# KiCad board Video Timer.kicad_pcb (continued)
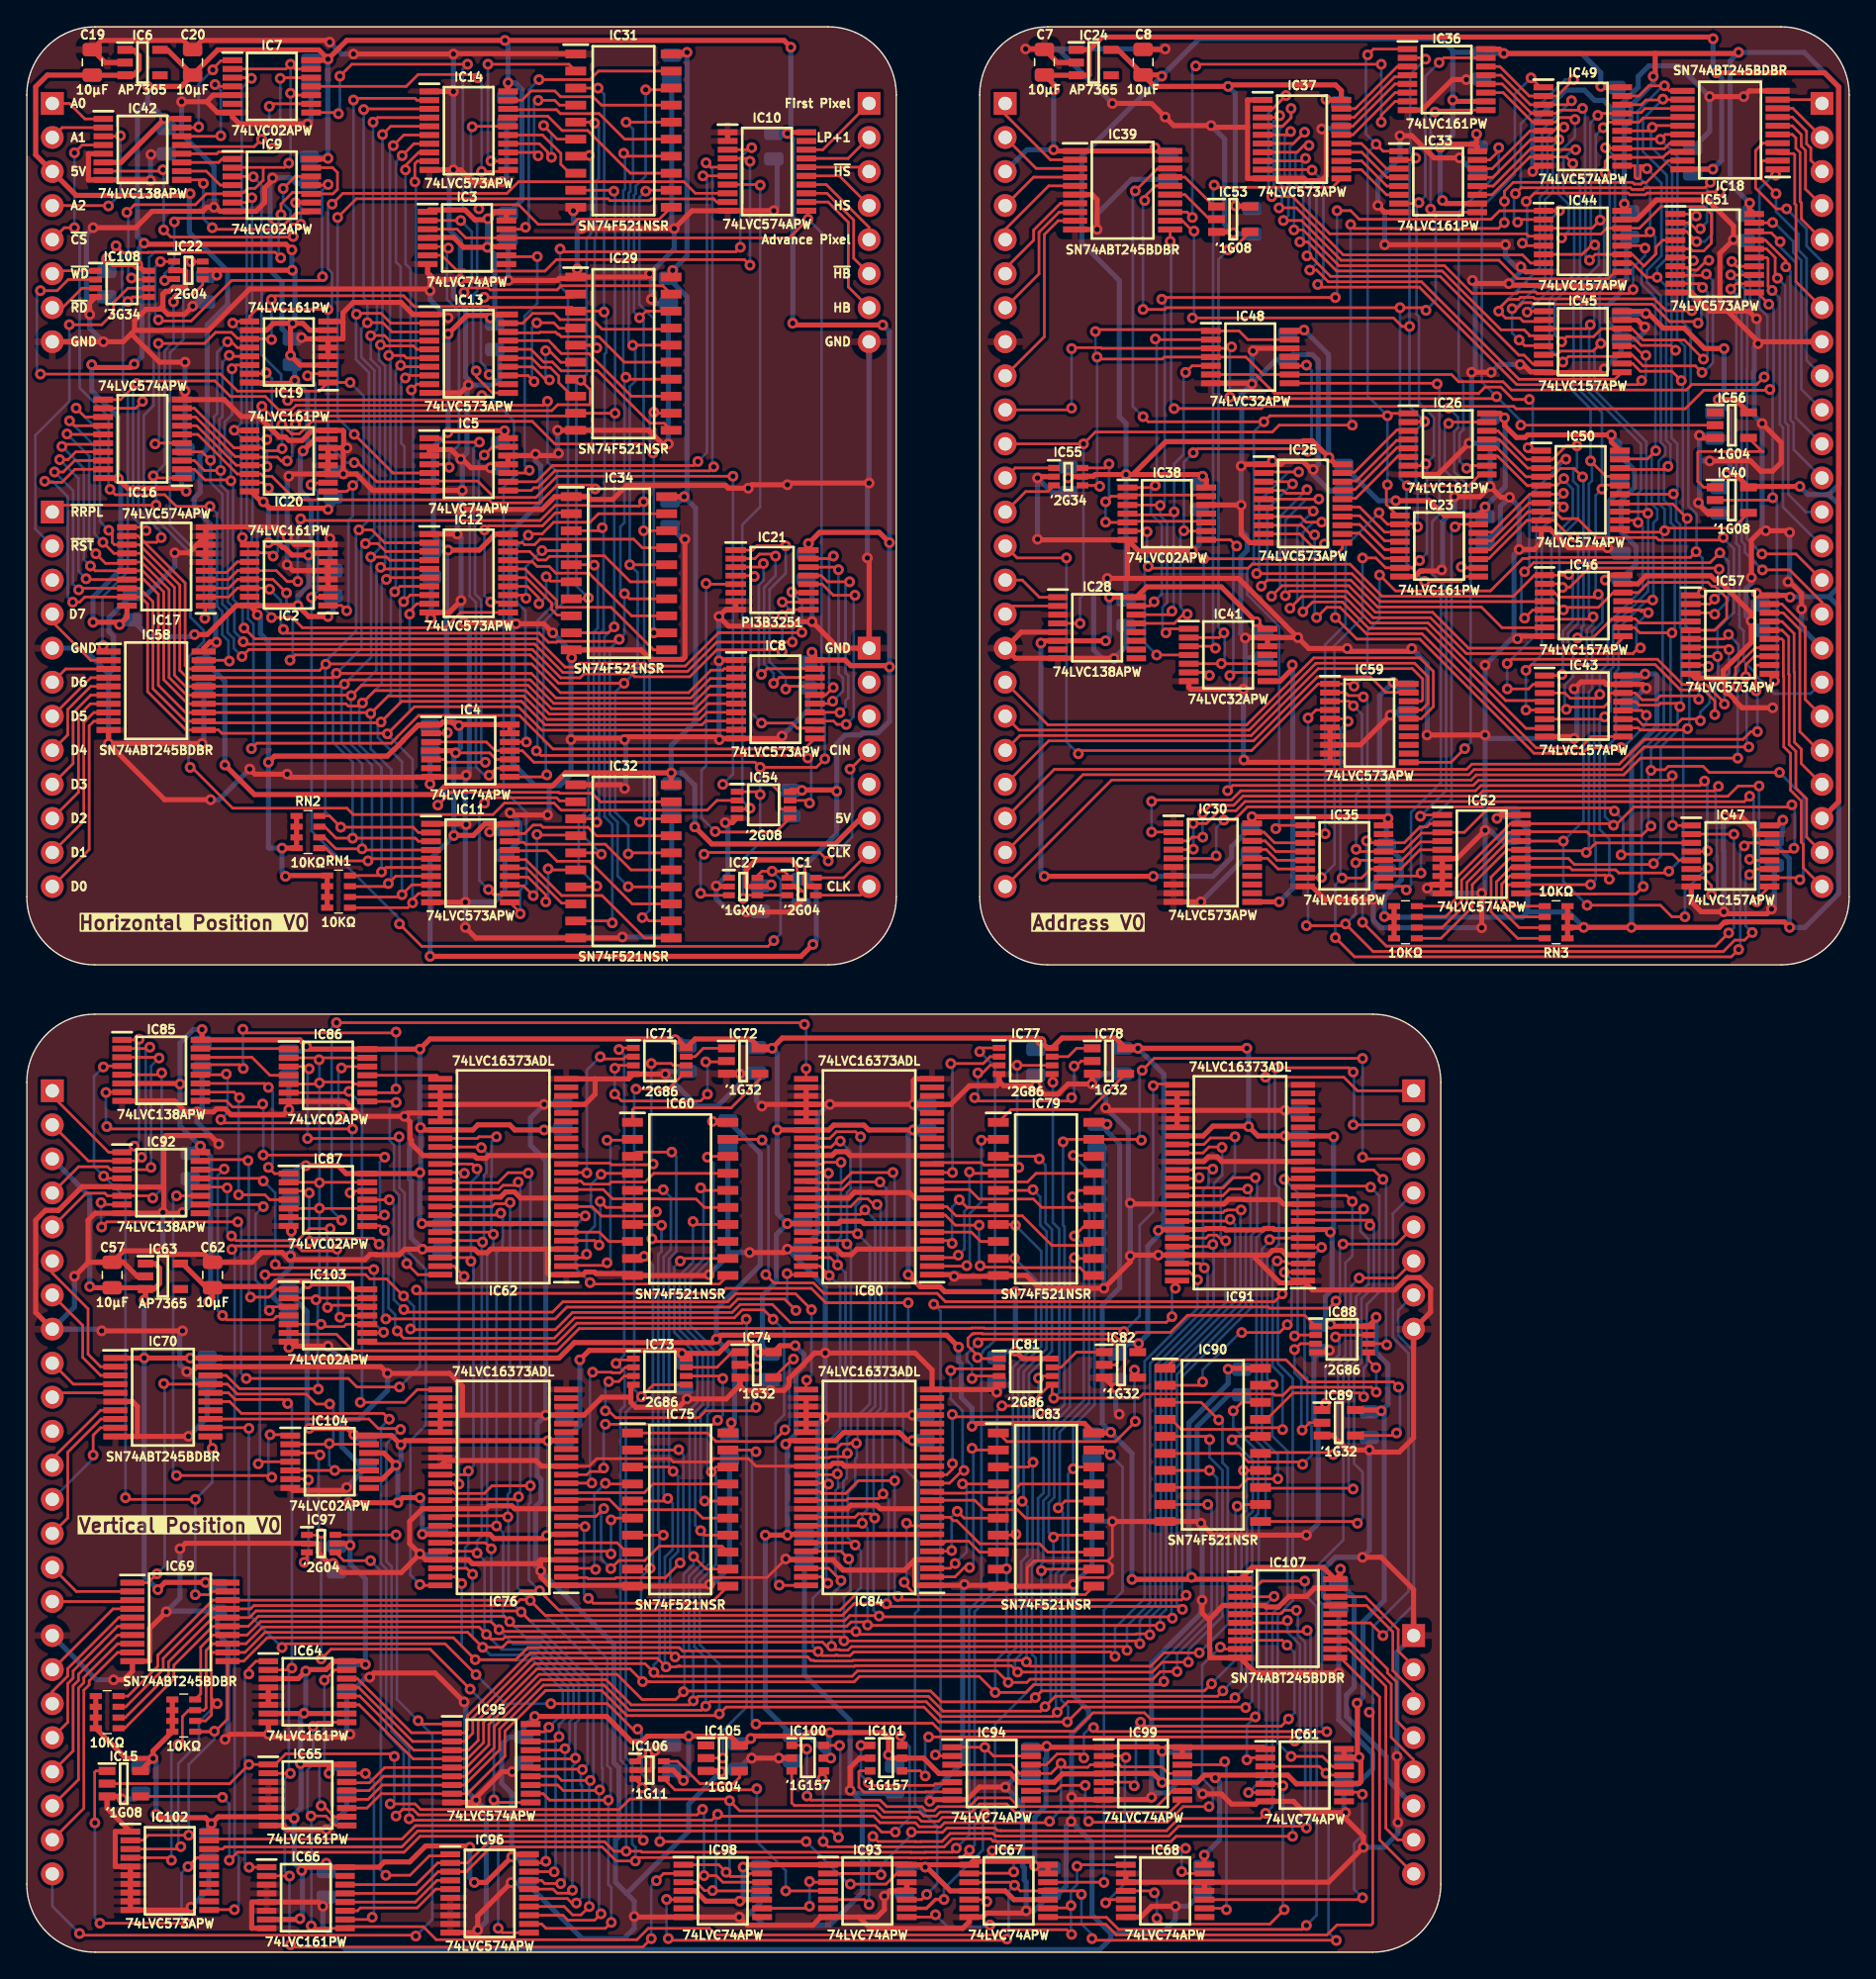
[diagram p0: board, top side]
## Routing (per net, layer and track width the routed paths; a pad name or vN(x,y) marks a point on that pad's centre or on a via; arc(x,y) is an arc through that point) (continued)
/Horizontal Position/D2_{IN/OUT}: length 11.1
  Top w0.2: IC58.7 4.75,93.13 3.86,92.24 3.86,86.53 J5.10
/Horizontal Position/D3: length 142.2
  Top w0.2: IC14.6 28.14,135.56 v1(27.35,134.77) ; IC11.6 26.82,80.93 v1(26.48,80.59) 26.21,80.32 24.34,80.32 ; 5.61,112.49 2.78,112.49 v1(2.62,112.34) ; v1(26.84,102.41) 26.97,102.54 IC12.6 ; IC8.6 50.84,93.15 50.06,92.36 39,92.36 37.24,94.12 25.97,94.12 v1(25.05,93.2) 24.82,92.96 24,92.96 23.83,93.13 IC58.14 12.02,93.13 10.22,94.93 10.22,101.49 8.65,103.05 IC17.16 5.11,103.05 v1(4.75,103.41) ; IC13.6 28.34,118.93 28.15,119.12 v1(27.01,119.12)
  Bottom w0.2: v1(2.62,112.34) 4.25,110.7 4.25,103.91 v1(4.75,103.41) ; v1(27.35,134.77) 27.1,134.53 27.1,119.21 v1(27.01,119.12) 27.14,118.99 27.14,112.24 27.14,102.72 v1(26.84,102.41) 26.49,102.07 26.49,94.64 v1(25.05,93.2) 24.83,92.97 24.83,90.05 26.48,88.4 v1(26.48,80.59)
/Horizontal Position/D3_{IN/OUT}: length 9.2
  Top w0.2: J5.9 3.45,88.67 3.45,92.46 4.77,93.78 IC58.6
/Horizontal Position/D4: length 146.1
  Top w0.2: 7.48,103.7 8.56,103.7 10.62,101.65 10.62,95.1 11.93,93.78 IC58.15 24.17,93.78 v1(24.21,93.74) 24.99,94.52 37.41,94.52 39.17,92.76 49.89,92.76 50.92,93.8 IC8.5 ; 7.38,103.61 5.87,103.61 v1(5.16,104.33) ; v1(26.4,119.91) 26.48,119.83 28.86,119.83 29.11,119.58 IC13.5 ; IC12.5 26.53,103.19 v1(26.41,103.32) ; 22.06,82.37 22.3,82.37 23.25,81.42 v1(25.46,81.42) 25.62,81.58 IC11.5 ; IC16.15 3.04,113.23 v1(3.01,113.26) ; v1(26.55,135.6) 27.16,136.21 IC14.5
  Bottom w0.2: v1(26.55,135.6) 26.55,120.06 v1(26.4,119.91) 26.29,119.8 26.29,118.79 26.74,118.34 26.74,112.08 26.74,112.07 26.74,103.65 v1(26.41,103.32) 26.09,103 26.09,95.62 v1(24.21,93.74) 24.19,93.72 24.19,90.12 25.76,88.55 25.76,81.71 v1(25.46,81.42) ; v1(5.16,104.33) 4.65,104.83 4.65,111.61 v1(3.01,113.26)
/Horizontal Position/D4_{IN/OUT}: length 7.3
  Top w0.2: IC58.5 4.77,94.43 3.05,92.71 3.05,90.81 J5.8
/Horizontal Position/D5: length 148.5
  Top w0.2: v1(25.68,104.08) 26.85,104.08 27.09,103.84 IC12.4 ; 52.94,94.45 51.01,94.45 49.73,93.16 39.33,93.16 37.58,94.92 24.02,94.92 v1(23.71,94.6) 23.54,94.43 IC58.16 11.85,94.43 11.02,95.26 11.02,101.82 8.48,104.35 IC17.14 6.5,104.35 v1(5.68,105.18) ; IC14.4 26.19,136.86 v1(25.85,136.52) ; v1(3.19,114.24) 3.55,113.88 IC16.14 ; IC13.4 27.07,120.23 26.69,120.61 25.69,120.61 v1(25.67,120.59) ; IC11.4 25.11,82.23 v1(25.03,82.31) 23.07,82.31 22.22,83.17 RN2.2
  Bottom w0.2: v1(3.19,114.24) 5.05,112.38 5.05,105.8 v1(5.68,105.18) ; v1(25.03,82.31) 25.03,88.65 23.49,90.19 23.49,94.38 v1(23.71,94.6) 25.69,96.59 25.69,104.07 v1(25.68,104.08) 26.34,104.75 26.34,111.91 26.34,111.91 26.34,118.17 25.67,118.85 v1(25.67,120.59) 26.13,121.06 26.13,122.99 25.85,123.28 v1(25.85,136.52)
/Horizontal Position/D5_{IN/OUT}: length 5.4
  Top w0.2: J5.7 4.79,95.08 IC58.4
/Horizontal Position/D6: length 149.9
  Top w0.2: IC16.13 4.34,114.53 v1(3.68,115.19) ; IC11.3 29.23,82.88 29,83.11 v1(24.32,83.11) 23.09,83.11 22.23,83.97 RN2.3 ; v1(6.11,106.08) 6.38,105.81 6.38,105.16 6.54,105 IC17.13 8.4,105 11.42,101.98 11.42,95.63 11.97,95.08 IC58.17 22.79,95.08 v1(23.11,95.41) 37.66,95.41 39.5,93.56 49.56,93.56 51.02,95.02 52.87,95.02 ; IC13.3 27.26,120.88 26.57,121.56 v1(25.42,121.56) ; v1(25.28,105.09) 26.21,105.09 26.8,104.49 IC12.3 ; v1(25.15,137.46) 25.2,137.51 IC14.3
  Bottom w0.2: v1(6.11,106.08) 5.45,106.74 5.45,113.42 v1(3.68,115.19) ; v1(25.15,137.46) 25.15,123.42 25.42,123.14 v1(25.42,121.56) 24.97,121.11 24.97,118.98 25.94,118.01 25.94,111.74 25.94,111.74 25.94,105.75 v1(25.28,105.09) 24.98,104.79 24.98,97.27 v1(23.11,95.41) 22.85,95.14 22.85,90.26 24.32,88.79 v1(24.32,83.11)
/Horizontal Position/D6_{IN/OUT}: length 4.6
  Top w0.2: IC58.3 2.89,95.73 J5.6
/Horizontal Position/D7: length 153.1
  Top w0.2: IC13.2 27.17,121.53 26.44,122.26 24.68,122.26 v1(24.61,122.19) ; 8.79,105.18 8.31,105.65 IC17.12 ; 8.79,105.18 11.82,102.15 11.82,95.99 12.08,95.73 IC58.18 ; 8.79,105.18 9.68,105.18 v1(10.03,105.53) ; IC14.2 29.11,138.16 28.97,138.3 24.51,138.3 v1(24.38,138.18) ; RN2.4 22.59,84.77 v1(23.43,83.93) 28.83,83.93 29.23,83.53 IC11.2 ; v1(24.79,106.11) 25.75,106.11 26.71,105.14 IC12.2 ; IC8.2 52.06,95.75 51.96,95.64 51.07,95.64 49.39,93.96 39.82,93.96 37.68,96.11 22.34,96.11 v1(22.32,96.08) 21.85,95.62 13.31,95.62 ; v1(8.64,115.7) 8.12,115.18 IC16.12
  Bottom w0.2: v1(10.03,105.53) 10.03,105.92 8.33,107.62 8.33,115.4 v1(8.64,115.7) ; v1(24.38,138.18) 24.38,122.42 v1(24.61,122.19) 24.57,122.16 24.57,118.81 25.54,117.84 25.54,111.58 25.54,111.58 25.54,106.86 v1(24.79,106.11) 24.58,105.89 24.58,98.57 22.32,96.31 v1(22.32,96.08) 22.28,96.04 22.28,85.08 v1(23.43,83.93)
/Horizontal Position/D7_{IN/OUT}: length 5.4
  Top w0.2: 1.9,99.25 4.77,96.38 IC58.2
/Horizontal Position/Device ~{CS}: length 52.7
  Top w0.2: v1(13.67,107.85) 11.17,107.85 10.29,108.73 6.61,108.73 v1(6.21,109.13) ; IC42.4 4.13,134.82 v1(3.56,134.24) ; v1(15.11,96.32) 15.05,96.38 IC58.19 ; v1(3.56,128.65) 2.79,128.65 J1.5
  Bottom w0.2: v1(15.11,96.32) 15.05,96.38 15.05,97.83 14.59,98.29 14.59,100.02 14.2,100.41 14.2,107.33 v1(13.67,107.85) ; v1(6.21,109.13) 6.1,109.25 6.1,114.55 3.94,116.71 3.94,128.27 v1(3.56,128.65) v1(3.56,134.24)
/Horizontal Position/First Pixel: length 66.5
  Top w0.2: IC10.3 53.95,134.47 v1(54.1,134.62) ; v1(38.81,87.83) 38.66,87.68 IC4.8 ; v1(39.8,127.06) 40.01,126.85 52.92,126.85 v1(53.26,127.19)
  Bottom w0.2: v1(53.26,127.19) 53.26,133.88 54,134.62 v1(54.1,134.62) ; v1(38.81,87.83) 38.73,87.91 38.73,90.17 38.56,90.35 38.56,99.2 40.39,101.03 40.39,123.7 39.8,124.28 v1(39.8,127.06)
/Horizontal Position/First Pixel _{OUT}: length 6.1
  Top w0.2: IC10.18 59.41,134.47 J2.1
/Horizontal Position/Front Porch Start D0: length 14.9
  Top w0.2: IC13.12 34.98,116.98 34.88,117.08 34.88,117.31 v1(34.5,117.69) ; 40.94,123.7 40.69,123.44 34.16,123.44 v1(34.14,123.46)
  Bottom w0.2: v1(34.14,123.46) 33.89,123.22 33.89,118.6 34.24,118.26 34.24,118.15 34.5,117.89 v1(34.5,117.69)
/Horizontal Position/Front Porch Start D1: length 9.8
  Top w0.2: v1(37.86,117.18) 37.42,117.62 35.9,117.62 ; v1(38.06,121.56) 39.33,121.56 39.74,121.15 40.95,121.15
  Bottom w0.2: v1(38.06,121.56) 37.7,121.2 37.7,117.33 v1(37.86,117.18)
/Horizontal Position/Front Porch Start D2: length 8.4
  Top w0.2: v1(38.72,119.47) 39,119.47 39.86,118.61 40.95,118.61 ; 35.9,118.27 37.77,118.27 38.74,117.29 v1(39.01,117.29)
  Bottom w0.2: v1(39.01,117.29) 38.72,117.58 v1(38.72,119.47)
/Horizontal Position/Front Porch Start D3: length 6.3
  Top w0.2: 35.9,118.92 37.68,118.92 38.37,118.23 39.06,118.23 39.71,117.58 39.71,117.08 40.72,116.07
/Horizontal Position/Front Porch Start D4: length 14.7
  Top w0.2: IC13.16 37.62,119.58 38.57,118.63 39.23,118.63 39.88,117.97 42.61,117.97 46.52,114.06 47.56,114.06 IC29.11
/Horizontal Position/Front Porch Start D5: length 13.9
  Top w0.2: IC13.17 38.95,120.23 39.42,119.76 39.42,119.73 39.89,119.26 41.95,119.26 45.14,116.08 IC29.13
/Horizontal Position/Front Porch Start D6: length 13.1
  Top w0.2: IC29.15 44.6,118.62 42.69,120.52 39.88,120.52 39.71,120.69 39.63,120.69 39.47,120.86 38.3,120.86 38.25,120.81 35.97,120.81
/Horizontal Position/Front Porch Start D7: length 12.9
  Top w0.2: 48.01,121.08 42.94,121.08 42.23,121.79 39.8,121.79 39.34,122.26 37.75,122.26 37.01,121.52 35.9,121.52
/Horizontal Position/Horizontal Blank: length 53.4
  Top w0.2: 52.31,130.57 51.5,130.57 51.26,130.8 46.6,130.8 46.48,130.68 43.53,130.68 43.4,130.81 24.6,130.81 v1(23.2,129.41) ; IC5.5 27.33,110.35 v1(24.44,113.23)
  Bottom w0.2: v1(23.2,129.41) 23.2,114.48 v1(24.44,113.23)
/Horizontal Position/Horizontal Blank _{OUT}: length 10.8
  Top w0.2: 58.18,130.57 59.81,130.57 61.32,129.06 61.32,124.23 J2.7
/Horizontal Position/Horizontal Sync: length 38.3
  Top w0.2: IC10.6 v1(50.47,132.52) ; v1(50.09,111.21) 49.79,110.91 39.24,110.91 38.03,109.7 IC5.9
  Bottom w0.2: v1(50.09,111.21) 50.77,111.89 50.77,132.22 v1(50.47,132.52)
/Horizontal Position/Horizontal Sync _{OUT}: length 5.6
  Top w0.2: J2.4 60.65,132.52 IC10.15
/Horizontal Position/Last Pixel + 1: length 34.6
  Top w0.2: v1(53.98,125.86) 53.56,126.27 39.53,126.27 38.67,125.41 32.73,125.41 32.65,125.49 32.07,125.49 30.97,126.59 29.92,126.59 ; v1(53.98,133.6) 53.76,133.82 IC10.4
  Bottom w0.2: v1(53.98,125.86) v1(53.98,133.6)
/Horizontal Position/Last Pixel + 1 _{OUT}: length 5.3
  Top w0.2: J2.2 61.3,133.82 IC10.17
/Horizontal Position/Pixel CLK: length 85.8
  Top w0.2: v1(21.25,101.06) 21.28,101.09 22.46,101.09 ; v1(27.81,76.71) 29.48,75.04 55.33,75.04 v1(55.75,75.47) ; IC27.6 54.53,80.31 54.86,80.64 v1(55.63,80.64) 56.51,80.64 56.77,80.39 IC1.1 ; v1(21.21,109.47) 21.34,109.6 22.46,109.6 ; IC19.2 21.11,117.75 v1(20.95,117.6)
  Bottom w0.2: v1(27.81,76.71) 27.81,77.09 21.25,83.65 v1(21.25,101.06) 21.72,101.53 21.72,108.96 v1(21.21,109.47) 21.53,109.79 21.53,117.03 v1(20.95,117.6) ; v1(55.75,75.47) 56.26,75.97 56.26,80.01 v1(55.63,80.64)
/Horizontal Position/Pixel CLK _{IN}: length 24.4
  Top w0.2: v1(61.44,88.26) 61.47,88.26 J3.4 ; v1(50.29,78.99) 50.44,78.84 52.4,78.84 ; v1(50.55,81.91) 50.67,82.04 59.18,82.04 v1(59.82,81.41)
  Bottom w0.2: v1(50.29,78.99) 50.29,81.66 v1(50.55,81.91) ; v1(59.82,81.41) 61.6,83.18 61.6,88.11 v1(61.44,88.26)
/Horizontal Position/Pixel CLK _{OUT}: length 4.2
  Top w0.2: IC1.4 62.21,78.85 J3.8
/Horizontal Position/R0: length 74.3
  Top w0.2: v1(15.31,118.13) 15.59,118.4 IC19.14 ; v1(57.85,98.46) 57.83,98.44 51.64,98.44 49.15,95.95 46.36,95.95 46.14,96.16 41.25,96.16 40.96,95.87 40.18,95.87 38.07,97.98 17.02,97.98 v1(16.21,98.78) ; IC21.11 57.15,101.42 v1(57.1,101.47) ; v1(15.23,109.77) 15.17,109.84 13.3,109.84 12.51,110.63 IC16.2
  Bottom w0.2: v1(57.1,101.47) 57.85,100.72 v1(57.85,98.46) ; v1(16.21,98.78) 16.11,98.89 16.11,100.23 15.4,100.94 15.4,109.61 v1(15.23,109.77) 15.23,111.67 14.77,112.13 14.77,114.15 15.31,114.7 v1(15.31,118.13)
/Horizontal Position/R1: length 75.4
  Top w0.2: v1(57.13,97.74) 51.5,97.74 49.32,95.55 46.19,95.55 45.98,95.76 41.41,95.76 41.12,95.47 40.01,95.47 37.9,97.58 16.33,97.58 v1(16.15,97.76) ; v1(14.47,110.54) 13.25,110.54 12.51,111.28 IC16.3 ; IC19.13 15.18,119.05 v1(15.11,119.13) ; 58.27,100.72 v1(56.39,100.72)
  Bottom w0.2: v1(15.11,119.13) 14.61,118.62 14.61,114.55 14.37,114.32 14.37,111.97 14.47,111.87 v1(14.47,110.54) 14.47,109.47 15,108.94 15,100.74 15.49,100.24 15.49,98.51 16.15,97.86 v1(16.15,97.76) ; v1(56.39,100.72) 57.13,99.98 v1(57.13,97.74)
/Horizontal Position/R2: length 76.5
  Top w0.2: v1(13.71,111.29) 13.07,111.93 IC16.4 ; v1(16.06,96.67) 16.58,97.18 37.74,97.18 39.85,95.07 41.29,95.07 41.58,95.36 45.16,95.36 45.37,95.15 49.48,95.15 51.49,97.16 56.23,97.16 v1(56.36,97.03) ; IC21.9 56.82,100.15 v1(56.38,99.72) ; IC19.12 15.71,119.7 15.27,120.14 v1(14.99,120.14)
  Bottom w0.2: v1(56.36,97.03) 56.38,97.05 v1(56.38,99.72) ; v1(14.99,120.14) 14.2,119.36 14.2,114.79 13.97,114.55 13.97,111.56 v1(13.71,111.29) 13.71,109.66 14.6,108.77 14.6,100.57 14.99,100.18 14.99,98.46 15.45,97.99 15.45,97.28 v1(16.06,96.67)
/Horizontal Position/R3: length 108.2
  Top w0.2: IC34.3 42.73,106.04 v1(42.95,106.27) ; v1(42.54,84.3) 42.29,84.55 IC32.3 ; 16.59,120.4 15.72,120.4 15.28,120.84 14.09,120.84 13.27,120.01 v1(9.83,120.01) ; v1(43.08,122.36) 43.02,122.43 IC29.3 40.69,122.7 34.54,122.7 34.48,122.76 28.93,122.76 28.12,123.57 18.54,123.57 v1(18.26,123.29) ; IC31.3 v1(42.63,139.06) ; IC19.11 18.22,120.35 v1(18.27,120.3) ; IC16.5 9.62,112.58 v1(9.57,112.52)
  Bottom w0.2: v1(18.26,123.29) 18.27,123.28 v1(18.27,120.3) ; v1(42.63,139.06) 43.09,138.61 43.09,132.16 43.08,132.15 v1(43.08,122.36) 43.25,122.2 43.25,119.34 43.12,119.21 43.12,106.44 v1(42.95,106.27) 43.05,106.17 43.05,98.65 42.72,98.31 42.72,84.47 v1(42.54,84.3) ; v1(9.57,112.52) 9.87,112.82 9.87,119.97 v1(9.83,120.01)
/Horizontal Position/R4: length 98.2
  Top w0.2: 40.95,119.88 42.28,119.88 ; v1(42.37,136.45) 42.3,136.52 IC31.5 ; v1(42.35,103.48) 42.32,103.5 IC34.5 ; v1(42.42,109.17) 42.14,109.45 39.58,109.45 38.25,108.12 34.72,108.12 34.49,108.35 20.05,108.35 18.3,110.1 17.65,110.1 17.47,110.28 IC20.14 15.72,110.28 12.76,113.23 IC16.6 ; v1(42.54,119.69) 42.34,119.89 IC29.5 ; IC32.5 42.79,82.01 v1(42.89,81.92)
  Bottom w0.2: v1(42.37,136.45) 42.69,136.13 42.69,132.33 42.5,132.14 42.5,128 42.38,127.89 42.38,119.84 v1(42.54,119.69) 42.18,119.33 42.18,109.41 v1(42.42,109.17) 42.04,108.78 42.04,103.79 v1(42.35,103.48) 42.62,103.21 42.62,98.78 42.32,98.48 42.32,85.11 41.59,84.39 41.59,83.21 v1(42.89,81.92)
/Horizontal Position/R5: length 99.9
  Top w0.2: v1(17.93,110.84) 17.84,110.93 IC20.13 15.63,110.93 12.68,113.88 IC16.7 ; v1(41.34,117.27) 42.04,116.57 42.04,115.45 42.03,115.44 39.62,115.44 39.18,115 20.27,115 19.92,114.66 18.21,114.66 v1(17.54,115.32) ; v1(42.55,79.53) 42.49,79.47 IC32.7 ; IC31.7 41.94,133.98 v1(41.99,134.04) ; IC34.7 41.85,100.96 v1(41.92,101.03)
  Bottom w0.2: v1(17.93,110.84) 17.93,111.84 17.21,112.56 17.21,114.99 v1(17.54,115.32) ; v1(42.55,79.53) 41.19,80.88 41.19,84.56 41.92,85.28 v1(41.92,101.03) 41.02,101.92 41.02,116.96 v1(41.34,117.27) 41.78,117.72 41.78,127.85 42.1,128.17 42.1,133.93 v1(41.99,134.04)
/Horizontal Position/R6: length 99.8
  Top w0.2: IC34.9 43.4,98.42 v1(43.84,98.87) ; v1(43.82,131.38) 43.75,131.44 IC31.9 ; v1(20.05,113.97) 20.2,113.97 20.83,114.6 40.31,114.6 ; IC16.8 12.6,114.53 15.55,111.58 IC20.12 ; 16.74,111.54 18.7,111.54 18.99,111.25 v1(19.43,111.25) ; IC29.9 v1(43.91,114.81) ; IC32.9 43.56,76.93 v1(43.7,76.79)
  Bottom w0.2: v1(43.82,131.38) 43.91,131.29 v1(43.91,114.81) 43.84,114.74 43.84,98.87 v1(43.84,98.87) 43.12,98.15 43.12,84.71 43.7,84.13 v1(43.7,76.79) ; v1(19.43,111.25) 19.81,111.62 19.81,113.73 v1(20.05,113.97)
/Horizontal Position/R7: length 101.9
  Top w0.2: IC29.12 46.88,114.81 v1(46.8,114.88) ; IC16.9 12.51,115.18 15.46,112.23 IC20.11 17.56,112.23 17.77,112.01 18.9,112.01 v1(19.06,112.17) ; v1(46.74,111.85) 46.07,112.51 39.42,112.51 37.73,114.2 21.27,114.2 20.34,113.27 19.76,113.27 19.51,113.52 19.47,113.52 v1(19.03,113.96) ; v1(46.19,131.38) 46.26,131.44 IC31.12 ; IC34.12 v1(46.8,98.42) ; v1(45.94,77.19) 46.19,77.19 46.45,76.93 IC32.12
  Bottom w0.2: v1(46.19,131.38) 45.72,130.91 45.72,122.94 46.8,121.85 v1(46.8,114.88) 46.5,114.58 46.5,112.08 v1(46.74,111.85) 46.8,111.78 v1(46.8,98.42) 46.48,98.11 46.48,77.73 v1(45.94,77.19) ; v1(19.03,113.96) 19.05,113.94 19.05,112.18 v1(19.06,112.17)
/Horizontal Position/R8: length 103.9
  Top w0.2: v1(18.12,101.68) 18.03,101.77 IC2.14 15.73,101.77 15.07,101.1 13.35,101.1 ; IC32.14 44.91,79.47 v1(44.89,79.49) ; IC34.14 44.99,100.96 v1(44.6,101.35) ; IC31.14 44.77,133.98 v1(44.55,134.2) ; v1(44.22,97.94) 44.06,97.79 39.61,97.79 39.55,97.72 38.93,97.72 38.25,98.4 19.43,98.4 v1(19.15,98.68) ; v1(44.71,117.5) 44.86,117.35 IC29.14
  Bottom w0.2: v1(44.89,79.49) 44.1,80.28 44.1,84.3 43.52,84.88 43.52,97.24 v1(44.22,97.94) 44.6,98.33 v1(44.6,101.35) 44.3,101.65 44.3,106.35 44.6,106.65 44.6,117.39 v1(44.71,117.5) 44.52,117.69 44.52,131.4 44.65,131.53 44.65,134.11 v1(44.55,134.2) ; v1(19.15,98.68) 18.96,98.87 18.96,100.84 v1(18.12,101.68)
/Horizontal Position/R9: length 106.9
  Top w0.2: IC34.16 v1(45.01,103.5) ; v1(44.89,81.93) 44.97,82.01 IC32.16 ; 13.35,101.75 15.07,101.75 15.73,102.42 IC2.13 18.37,102.42 v1(19.38,101.4) ; IC31.16 v1(44.73,136.52) ; v1(45.22,119.87) 45.23,119.89 IC29.16 ; v1(19.64,96.39) 20.04,96.78 37.57,96.78 39.69,94.66 v1(44.58,94.66)
  Bottom w0.2: v1(19.38,101.4) 19.38,99.9 19.85,99.43 19.85,96.59 v1(19.64,96.39) ; v1(44.73,136.52) 45.25,136.01 45.25,132.13 45.05,131.93 45.05,131.36 44.92,131.24 44.92,120.17 v1(45.22,119.87) 45.41,119.68 45.41,117.21 45.01,116.8 v1(45.01,103.51) 45.59,102.92 45.59,95.68 v1(44.58,94.66) 43.92,94 43.92,85.05 44.89,84.07 v1(44.89,81.93)
/Horizontal Position/R10: length 102.4
  Top w0.2: v1(46.19,138.94) 47.97,138.94 ; v1(45.75,84.33) 45.97,84.55 IC32.18 ; IC29.18 46.23,122.43 v1(45.73,121.93) ; IC34.18 v1(46.04,106.04) ; 13.35,102.4 15.07,102.4 15.73,103.07 IC2.12 18.62,103.07 19.43,102.26 v1(20.22,102.26) ; v1(20.44,106.93) 20.57,106.81 38.32,106.81 39.45,107.94 41.84,107.94 41.89,107.89 45.72,107.89 v1(46.04,108.2)
  Bottom w0.2: v1(20.22,102.26) 20.22,106.72 v1(20.44,106.93) ; v1(46.19,138.94) 46.19,132.51 45.45,131.76 45.45,131.2 45.32,131.07 45.32,122.35 v1(45.73,121.93) 46.04,121.63 v1(46.04,108.2) v1(46.04,106.04) 46.08,106 46.08,84.66 v1(45.75,84.33)
/Horizontal Position/R11: length 3.6
  Top w0.2: IC2.11 15.71,103.72 14.92,102.93 13.4,102.93
/Horizontal Position/Read Row Position High: length 27.6
  Top w0.2: v1(9.83,121.78) 9.91,121.69 12.27,121.69 15.29,124.71 21.79,124.71 v1(22.07,125) ; IC9.11 22.44,131.83 v1(22.49,131.88) ; IC22.1 9.99,126.13 v1(9.98,126.12)
  Bottom w0.2: v1(22.49,131.88) 22.03,131.42 22.03,125.04 v1(22.07,125) ; v1(9.98,126.12) 9.59,125.73 9.59,122.02 v1(9.83,121.78)
/Horizontal Position/Read Row Position High ~{CS}: length 25.3
  Top w0.2: IC42.7 10.06,132.87 v1(10.16,132.97) ; IC9.12 20.04,132.48 v1(19.13,131.57) ; v1(19.88,127.99) 19.84,127.95 10.75,127.95 v1(10.21,128.49)
  Bottom w0.2: v1(10.21,128.49) 10.21,132.91 v1(10.16,132.97) ; v1(19.13,131.57) 19.13,130.46 19.67,129.92 19.67,128.2 v1(19.88,127.99)
/Horizontal Position/Read Row Position Low: length 102.3
  Top w0.2: IC22.3 10.4,124.83 v1(10.29,124.71) ; v1(11.01,129.09) 11.28,129.35 17.99,129.35 18.41,128.93 19.26,128.93 20.09,129.75 21.1,129.75 ; v1(12.19,88.39) 12.32,88.39 15.37,85.34 23.89,85.34 24.37,84.87 34.8,84.87 35.65,85.72 39.35,85.72 39.88,85.2 50.78,85.2 51.51,85.92 IC54.2
  Bottom w0.2: v1(10.29,124.71) 10.29,125.22 11.01,125.95 11.01,126.62 ; v1(12.19,88.39) 12.06,88.52 12.06,96.62 13.22,97.78 13.22,98.59 12.22,99.59 12.22,104.37 8.73,107.85 8.73,114.65 9.47,115.39 9.47,119.13 9.13,119.47 9.13,126.42 9.57,126.86 10.77,126.86 11.01,126.62 ; v1(11.01,129.09) 11.01,126.62
/Horizontal Position/Read Row Position Low ~{CS}: length 15.1
  Top w0.2: v1(13.18,131.96) 12.92,132.22 IC42.9 ; v1(20.06,130.52) 20.07,130.53 IC9.9 ; v1(20.45,128.91) 19.81,128.91 19.43,128.53 13.97,128.53 v1(13.84,128.65)
  Bottom w0.2: v1(20.45,128.91) 20.45,130.13 v1(20.06,130.52) ; v1(13.18,131.96) 13.18,129.31 v1(13.84,128.65)
/Horizontal Position/RPS0: length 14.8
  Top w0.2: v1(54.97,103.6) 54.71,103.34 52.92,103.34 ; IC8.19 55.24,95.75 v1(54.83,95.33)
  Bottom w0.2: v1(54.97,103.6) 54.99,103.58 54.99,102.93 54.99,102.93 54.99,102.35 54.63,101.99 54.63,95.52 v1(54.83,95.33)
/Horizontal Position/RPS1: length 16.6
  Top w0.2: v1(55.88,104.15) 55.73,104.3 54.68,104.3 54.35,103.96 IC21.2 ; v1(55.74,94.66) 56.17,95.1 IC8.18
  Bottom w0.2: v1(55.88,104.15) 55.88,102.69 55.39,102.2 55.39,102.18 55.03,101.82 55.03,96.11 55.74,95.4 v1(55.74,94.66)
/Horizontal Position/RPS2: length 17.8
  Top w0.2: IC21.1 54.16,104.6 54.48,104.92 v1(56.64,104.92) ; 58.82,94.45 56.86,94.45 v1(56.64,94.23)
  Bottom w0.2: v1(56.64,94.23) 56.64,95.07 55.43,96.28 55.43,101.65 55.79,102.01 55.79,102.02 56.64,102.87 v1(56.64,104.92)
/Horizontal Position/RPS3: length 13.6
  Top w0.2: v1(60.2,104.15) 60.01,103.96 IC21.15 ; v1(60.19,94.35) 59.64,93.8 IC8.16
  Bottom w0.2: v1(60.19,94.35) 59.88,94.66 59.88,103.83 v1(60.2,104.15)
/Horizontal Position/RPS4: length 14
  Top w0.2: IC21.14 60.39,103.33 v1(60.58,103.14) ; IC8.15 59.98,93.15 v1(60.15,93.32)
  Bottom w0.2: v1(60.15,93.32) 60.91,94.08 60.91,95.05 60.58,95.39 v1(60.58,103.14)
/Horizontal Position/RPS5: length 15.4
  Top w0.2: IC8.14 60.67,92.5 v1(60.69,92.48) ; v1(61.41,102.23) 59.76,102.23 59.3,102.69 IC21.13
  Bottom w0.2: v1(60.69,92.48) 61.11,92.9 61.11,93.37 61.32,93.58 61.32,95.22 61.11,95.43 61.11,101.93 v1(61.41,102.23)
/Horizontal Position/RPS6: length 16.2
  Top w0.2: IC21.12 59.37,102.06 60.2,101.23 v1(61.81,101.23) ; IC8.13 60.21,91.85 60.47,91.59 v1(61.16,91.59)
  Bottom w0.2: v1(61.16,91.59) 61.71,92.15 61.71,101.14 v1(61.81,101.23)
/Horizontal Position/RPS7: length 16.8
  Top w0.2: 58.7,91.31 57.51,91.31 57.12,91.69 v1(54.84,91.69) ; IC21.4 54.24,102.69 v1(54.29,102.64)
  Bottom w0.2: v1(54.84,91.69) 54.04,92.5 54.04,102.38 v1(54.29,102.64)
/Horizontal Position/Select Advance Pixel: length 27.3
  Top w0.2: IC21.5 50.75,102.06 v1(50.7,102.11) ; IC54.5 55.91,83.56 51.42,83.56 v1(51.38,83.6)
  Bottom w0.2: v1(51.38,83.6) 50.35,84.63 50.35,88.17 50.7,88.52 v1(50.7,102.11)
/Horizontal Position/Sync Start D0: length 15.4
  Top w0.2: IC14.12 34.66,133.61 v1(34.64,133.63) ; IC31.2 40.46,140.84 v1(34.42,140.84)
  Bottom w0.2: v1(34.64,133.63) 34.42,133.85 v1(34.42,140.84)
/Horizontal Position/Sync Start D1: length 9.7
  Top w0.2: IC31.4 39.76,137.79 39.4,138.15 v1(38.16,138.15) ; v1(38.16,134.02) 37.92,134.26 IC14.13
  Bottom w0.2: v1(38.16,138.15) 37.87,137.85 37.87,134.32 v1(38.16,134.02)
/Horizontal Position/Sync Start D2: length 9.2
  Top w0.2: v1(38.57,136.27) 39.59,135.25 IC31.6 ; IC14.14 38.26,134.91 38.87,134.31 38.87,134.18 39.14,133.91 v1(39.16,133.91)
  Bottom w0.2: v1(38.57,136.27) 39.16,135.68 v1(39.16,133.91)
/Horizontal Position/Sync Start D3: length 6.3
  Top w0.2: IC14.15 38.49,135.56 39.86,134.2 39.86,133.38 40.52,132.71
/Horizontal Position/Sync Start D4: length 24.7
  Top w0.2: IC31.11 47.21,129.29 41.11,129.29 40.73,128.9 38.17,128.9 36.71,130.37 34.04,130.37 v1(33.74,130.06) ; v1(33.24,136.18) 33.27,136.21 IC14.16
  Bottom w0.2: v1(33.24,136.18) 33.15,136.09 33.15,130.66 v1(33.74,130.06)
/Horizontal Position/Sync Start D5: length 13.8
  Top w0.2: IC31.13 45.05,132.71 41.86,135.9 39.96,135.9 38.89,136.97 36.03,136.97
/Horizontal Position/Sync Start D6: length 13
  Top w0.2: IC31.15 44.62,135.25 42.72,137.16 39.83,137.16 39.53,137.45 35.98,137.45
/Horizontal Position/Sync Start D7: length 12.9
  Top w0.2: IC14.19 36.96,138.16 37.65,138.85 39.41,138.85 39.84,138.42 42.26,138.42 42.89,137.79 IC31.17
/Horizontal Position/TC_{0123}: length 7.9
  Top w0.2: v1(17.91,112.85) 17.88,112.88 IC20.10 ; v1(17.87,117.83) 17.8,117.75 IC19.15
  Bottom w0.2: v1(17.87,117.83) 18.29,117.4 18.29,113.22 v1(17.91,112.85)
/Horizontal Position/TC_{4567}: length 8.9
  Top w0.2: v1(18.38,104.15) 18.14,104.39 16.66,104.39 ; v1(18.03,109.22) 17.63,109.63 IC20.15
  Bottom w0.2: v1(18.38,104.15) 18.73,104.5 18.73,108.52 v1(18.03,109.22)
/Horizontal Position/Write Back Porch End: length 52
  Top w0.2: 15.35,130.53 16.44,130.53 v1(16.8,130.89) ; IC12.11 32.38,99.94 31.24,98.81 20.57,98.81 19.81,99.57 v1(18.26,99.57)
  Bottom w0.2: v1(18.26,99.57) 18.26,99.71 17.2,100.77 17.2,105.99 16.85,106.34 16.85,112.36 16.81,112.39 16.81,130.87 v1(16.8,130.89)
/Horizontal Position/Write Back Porch End ~{CS}: length 4.2
  Top w0.2: 15.35,131.83 14.44,131.83 13.4,132.87 IC42.10
/Horizontal Position/Write Back Porch Start: length 76.3
  Top w0.2: v1(33.97,116.12) 33.69,115.85 32.47,115.85 32.46,115.84 31.08,115.84 31.08,115.8 29.01,115.8 29.01,115.8 20.34,115.8 19.51,115.8 v1(19.47,115.76) ; 15.35,132.48 16.87,132.48 v1(16.9,132.45) ; v1(36.83,77.47) 36.83,77.54 IC11.11
  Bottom w0.2: v1(36.83,77.47) 36.83,79.25 37.29,79.71 37.29,85.01 35.58,86.72 35.58,109.29 36.36,110.06 36.36,114.24 34.47,116.12 v1(33.97,116.12) ; v1(16.9,132.45) 17.52,131.83 17.52,119.16 18.98,117.7 18.98,116.24 v1(19.47,115.76)
/Horizontal Position/Write Back Porch Start ~{CS}: length 3.9
  Top w0.2: IC42.11 14.31,133.52 14.57,133.78 15.35,133.78
/Horizontal Position/Write Front Porch Start: length 41.8
  Top w0.2: IC7.8 23.17,137.24 v1(23.26,137.16) ; IC13.11 34.75,116.33 33.54,117.54 v1(33.54,117.97) ; v1(23.37,139.95) 24.26,140.84 v1(32.89,140.84)
  Bottom w0.2: v1(23.37,139.95) 23.37,137.27 v1(23.26,137.16) ; v1(33.54,117.97) 33.31,118.2 33.31,123.62 33.61,123.93 33.61,128.95 32.54,130.02 32.54,140.49 v1(32.89,140.84)
/Horizontal Position/Write Front Porch Start ~{CS}: length 12
  Top w0.2: IC7.9 18.28,137.89 v1(18.1,137.71) ; 11.68,134.7 16.97,134.7 v1(17.53,135.25)
  Bottom w0.2: v1(17.53,135.25) 18.1,135.83 v1(18.1,137.71)
/Horizontal Position/Write Shift Pattern: length 96.9
  Top w0.2: v1(16.76,139.79) 16.71,139.84 15.35,139.84 ; IC8.11 58.04,89.76 39.27,89.76 36.77,92.26 29.25,92.26 27.61,90.63 27.61,90.6 27.2,90.19 17.17,90.19 v1(16.76,89.79)
  Bottom w0.2: v1(16.76,89.79) 16.92,89.94 16.92,99.07 16.51,99.48 16.51,104.96 16.8,105.25 16.8,105.83 16.41,106.21 16.41,129.87 16.04,130.25 16.04,139.07 v1(16.76,139.79)
/Horizontal Position/Write Shift Pattern ~{CS}: length 7.7
  Top w0.2: v1(13.88,140.42) 13.88,140.5 14.48,141.1 15.3,141.1 ; v1(12.83,136.17) 12.78,136.12 IC42.15
  Bottom w0.2: v1(13.88,140.42) 12.83,139.37 v1(12.83,136.17)
/Horizontal Position/Write Sync Start: length 21.9
  Top w0.2: 35.8,132.84 v1(33.94,132.84) ; IC7.11 28.32,139.19 29.21,140.08 33.4,140.08 v1(33.66,139.83)
  Bottom w0.2: v1(33.66,139.83) 33.94,139.54 v1(33.94,132.84)
/Horizontal Position/Write Sync Start ~{CS}: length 14.7
  Top w0.2: v1(18.32,134.58) 18.04,134.3 14.31,134.3 14.18,134.17 IC42.12 ; v1(18.92,139.79) 18.97,139.84 IC7.12